# Altium PCB EPS.PcbDoc (part 7 of 11)
Units mm, origin at the board's own origin, x right, y up, seen from the top; angles counter-clockwise.
Board outline 90.25 x 93.64 mm, 8 copper layers (Top Layer, PGND, Power, Control Signals 1, Control Signals 2, Signal 1, Signal 2, Bottom Layer), stack 1.637 mm thick; 941 components, 557 nets, 2694 pads, 869 vias.
Unrouted connection lines stored in the file: 2.
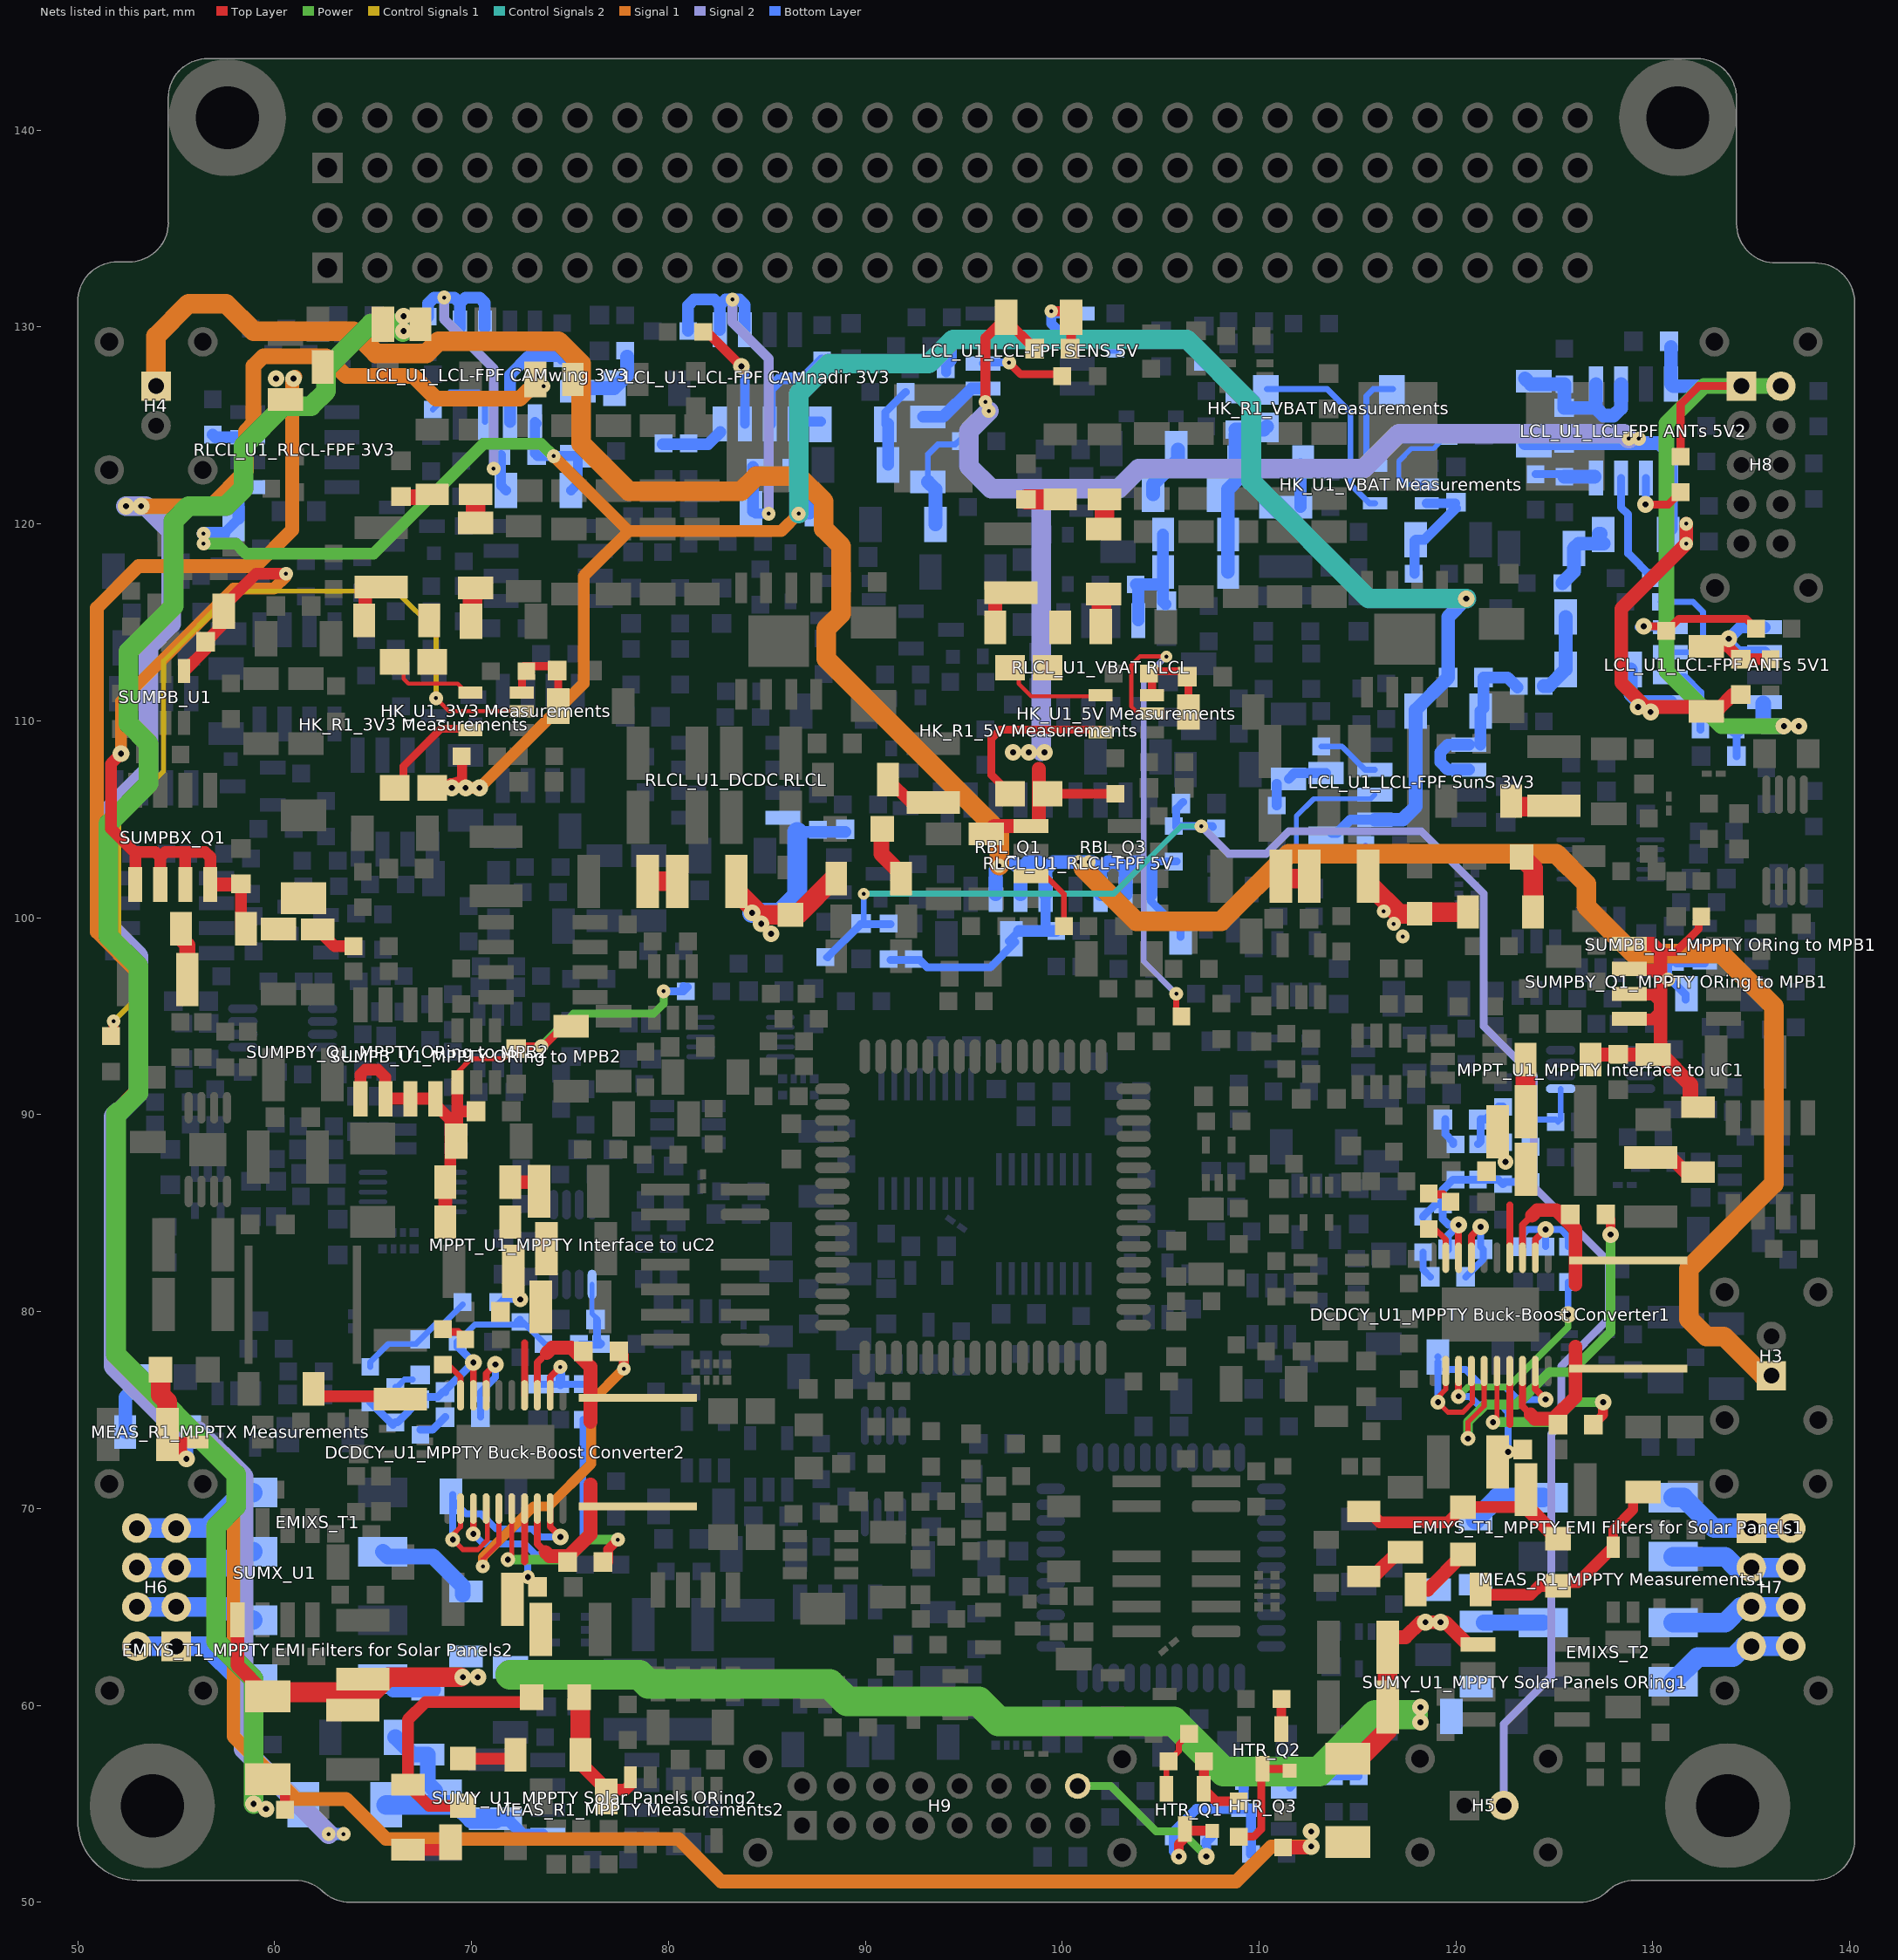
[diagram p13: the nets of this part, all layers, seen from the top]

## Via types
v1: diameter 0.7, hole 0.2, Top Layer to Bottom Layer, 431 vias
v2: diameter 0.85, hole 0.3, Top Layer to Bottom Layer, 345 vias
v3: diameter 0.6, hole 0.2, Top Layer to Bottom Layer, 62 vias
v4: diameter 0.8, hole 0.3, Top Layer to Bottom Layer, 19 vias
v5: diameter 0.75, hole 0.3, Top Layer to Bottom Layer, 7 vias
v6: diameter 1, hole 0.4, Top Layer to Bottom Layer, 2 vias
v7: diameter 0.7, hole 0.3, Top Layer to Bottom Layer, 2 vias
v8: diameter 1, hole 0.3, Top Layer to Bottom Layer, 1 vias

## Nets (pads, with @x,y where several pads share a name; then routed paths per layer and width w, separated by ;. In a path a pad name is that pad's centre, name@x,y a point inside that pad or via, vN(x,y) a via of type N, cw(c..) or ccw(c..) an arc to the next point about the centre after c; other vN are vias at no path point) (continued)
"NetDCDCY_C1_MPPTY Buck-Boost Converter1_1": "DCDCY_C1_MPPTY Buck-Boost Converter1.1" "DCDCY_L1_MPPTY Buck-Boost Converter1.2" "DCDCY_U1_MPPTY Buck-Boost Converter1.18" | length 7.7
  Top Layer w0.35: 123.38,76.981 123.38,75.183 123.787,74.776
  Top Layer w0.7: 123.787,74.776 124.003,74.56 124.968,74.56 126.073,75.665 126.073,78.205
"NetDCDCY_C1_MPPTY Buck-Boost Converter1_2": "DCDCY_C1_MPPTY Buck-Boost Converter1.2" "DCDCY_U1_MPPTY Buck-Boost Converter1.16" | length 10
  Top Layer w0.254: v5(121.882,74.384) 122.08,74.582 122.08,76.981
  Top Layer w0.5: 126.973,74.257 127.47,74.754 v2(127.47,75.4)
  Power w0.5: v5(121.882,74.384) 124.919,74.384 125.935,75.4 v2(127.47,75.4)
"NetDCDCY_C1_MPPTY Buck-Boost Converter2_1": "DCDCY_C1_MPPTY Buck-Boost Converter2.1" "DCDCY_L1_MPPTY Buck-Boost Converter2.2" "DCDCY_U1_MPPTY Buck-Boost Converter2.18" | length 7.7
  Top Layer w0.35: 73.342,69.996 73.342,68.198 73.749,67.791
  Top Layer w0.7: 73.749,67.791 73.965,67.575 74.93,67.575 76.035,68.68 76.035,71.22
"NetDCDCY_C1_MPPTY Buck-Boost Converter2_2": "DCDCY_C1_MPPTY Buck-Boost Converter2.2" "DCDCY_U1_MPPTY Buck-Boost Converter2.16" | length 10
  Top Layer w0.254: v5(71.844,67.399) 72.042,67.597 72.042,69.996
  Top Layer w0.5: 76.935,67.272 76.935,67.918 v1(77.432,68.415)
  Power w0.5: v5(71.844,67.399) 74.881,67.399 75.897,68.415 v1(77.432,68.415)
"NetDCDCY_C2_MPPTY Buck-Boost Converter1_1": "DCDCY_C2_MPPTY Buck-Boost Converter1.1" "DCDCY_L1_MPPTY Buck-Boost Converter1.1" "DCDCY_U1_MPPTY Buck-Boost Converter1.3" | length 7.9
  Top Layer w0.35: 123.38,82.731 123.38,84.402 123.85,84.872
  Top Layer w0.7: 123.85,84.872 124.13,85.152 125.095,85.152 126.073,84.174 126.073,81.38
"NetDCDCY_C2_MPPTY Buck-Boost Converter1_2": "DCDCY_C2_MPPTY Buck-Boost Converter1.2" "DCDCY_U1_MPPTY Buck-Boost Converter1.15" | length 19.9
  Top Layer w0.254: v5(120.612,73.55) 120.612,74.384 121.43,75.202 121.43,76.981
  Top Layer w0.3: 121.43,76.981 121.461,76.95
  Top Layer w0.5: 127.608,84.925 127.851,84.682 v2(127.851,83.909)
  Power w0.5: v5(120.612,73.55) 120.612,74.395 121.49,75.273 123.077,75.273 124.728,76.924 125.819,76.924 127.851,78.956 v2(127.851,83.909)
"NetDCDCY_C2_MPPTY Buck-Boost Converter2_1": "DCDCY_C2_MPPTY Buck-Boost Converter2.1" "DCDCY_L1_MPPTY Buck-Boost Converter2.1" "DCDCY_U1_MPPTY Buck-Boost Converter2.3" | length 7.9
  Top Layer w0.35: 73.342,75.746 73.342,77.417 73.812,77.887
  Top Layer w0.7: 73.812,77.887 74.092,78.167 75.057,78.167 76.035,77.189 76.035,74.395
"NetDCDCY_C2_MPPTY Buck-Boost Converter2_2": "DCDCY_C2_MPPTY Buck-Boost Converter2.2" "DCDCY_U1_MPPTY Buck-Boost Converter2.15" | length 17.7
  Top Layer w0.254: v1(70.574,67.056) 70.574,67.399 71.392,68.217 71.392,69.996
  Top Layer w0.3: 71.392,69.996 71.423,69.965
  Top Layer w0.5: 77.57,77.94 77.735,77.775 v1(77.735,77.089)
  Signal 1 w0.5: v1(70.574,67.056) 70.574,67.526 73.152,70.104 73.914,70.104 76.073,72.263 76.073,75.427 v1(77.735,77.089)
"NetDCDCY_C3_MPPTY Buck-Boost Converter1_2": "DCDCY_C3_MPPTY Buck-Boost Converter1.2" "DCDCY_C5_MPPTY Buck-Boost Converter1.1" "DCDCY_C6_MPPTY Buck-Boost Converter1.1" "DCDCY_R2_MPPTY Buck-Boost Converter1.1" "DCDCY_U1_MPPTY Buck-Boost Converter1.13" "DCDCY_U1_MPPTY Buck-Boost Converter1.17" "EMIYI_L1_MPPTY Input EMI Filter1.1" "EMIYI_L2_MPPTY Input EMI Filter1.1" "EMIYI_R2_MPPTY Input EMI Filter1.2" | length 29.9
  Top Layer w0.35: v5(120.13,75.691) 120.13,76.981 ; 122.73,74.268 122.73,76.981
  Top Layer w0.6: 115.57,69.85 116.117,69.303 119.595,69.303 120.358,70.066 123.557,70.066
  Top Layer w0.8: 123.557,70.955 123.557,70.099 125.184,68.472
  Power w0.35: v5(120.13,75.691) 120.601,76.162 122.644,76.162 125.692,79.21 v2(125.692,79.845)
  Bottom Layer w0.35: v5(120.13,75.691) 120.702,75.691 121.12,75.273 122.263,75.273 122.644,74.892 v7(122.644,72.871) ; v2(125.692,79.845) 125.692,81.496
"NetDCDCY_C3_MPPTY Buck-Boost Converter2_2": "DCDCY_C3_MPPTY Buck-Boost Converter2.2" "DCDCY_C5_MPPTY Buck-Boost Converter2.1" "DCDCY_C6_MPPTY Buck-Boost Converter2.1" "DCDCY_R2_MPPTY Buck-Boost Converter2.1" "DCDCY_U1_MPPTY Buck-Boost Converter2.13" "DCDCY_U1_MPPTY Buck-Boost Converter2.17" "EMIYI_L1_MPPTY Input EMI Filter2.1" "EMIYI_L2_MPPTY Input EMI Filter2.1" "EMIYI_R2_MPPTY Input EMI Filter2.2" | length 30.8
  Top Layer w0.35: v5(70.092,68.706) 70.092,69.996 ; 72.692,67.283 72.692,69.996
  Top Layer w0.6: 69.558,54.896 67.836,54.896 66.764,55.968 66.764,59.271 67.653,60.16 73.057,60.16
  Bottom Layer w0.35: v5(70.092,68.706) 70.599,68.199 72.706,68.199 73.252,67.653 ; v7(72.86,66.51) 72.86,67.261 73.252,67.653 ; 75.654,74.511 75.654,68.542 74.765,67.653 73.252,67.653
"NetDCDCY_C4_MPPTY Buck-Boost Converter1_2": "DCDCY_C4_MPPTY Buck-Boost Converter1.2" "DCDCY_C7_MPPTY Buck-Boost Converter1.1" "DCDCY_C8_MPPTY Buck-Boost Converter1.1" "DCDCY_C9_MPPTY Buck-Boost Converter1.1" "DCDCY_R1_MPPTY Buck-Boost Converter1.1" "DCDCY_U1_MPPTY Buck-Boost Converter1.4" "EMIYO_FB1_MPPTY Output EMI Filter1.2" | length 6.4
  Top Layer w0.35: 122.73,82.731 122.73,85.403
  Top Layer w1: 123.534,92.799 123.534,90.166 123.557,90.143
  Bottom Layer w0.35: 122.39,88.608 122.517,88.481 v4(122.517,87.603)
"NetDCDCY_C4_MPPTY Buck-Boost Converter2_2": "DCDCY_C4_MPPTY Buck-Boost Converter2.2" "DCDCY_C7_MPPTY Buck-Boost Converter2.1" "DCDCY_C8_MPPTY Buck-Boost Converter2.1" "DCDCY_C9_MPPTY Buck-Boost Converter2.1" "DCDCY_R1_MPPTY Buck-Boost Converter2.1" "DCDCY_U1_MPPTY Buck-Boost Converter2.4" "EMIYO_FB1_MPPTY Output EMI Filter2.2" | length 3.9
  Top Layer w0.35: 72.692,75.746 72.692,78.418
  Bottom Layer w0.35: 71.347,80.353 71.612,80.618 v4(72.479,80.618)
"NetDCDCY_C10_MPPTY Buck-Boost Converter1_1": "DCDCY_C10_MPPTY Buck-Boost Converter1.1" "DCDCY_C12_MPPTY Buck-Boost Converter1.1" "DCDCY_U1_MPPTY Buck-Boost Converter1.7" | length 4.7
  Top Layer w0.35: 120.78,82.731 120.78,83.834 v2(121.247,84.301)
  Bottom Layer w0.35: 120.496,81.761 121.385,82.65 121.385,83.158 121.247,83.296 v2(121.247,84.301)
"NetDCDCY_C10_MPPTY Buck-Boost Converter1_2": "DCDCY_C10_MPPTY Buck-Boost Converter1.2" "DCDCY_R4_MPPTY Buck-Boost Converter1.1" | length 1.4
  Bottom Layer w0.35: 118.326,83.02 118.326,82.131 118.696,81.761
"NetDCDCY_C10_MPPTY Buck-Boost Converter2_1": "DCDCY_C10_MPPTY Buck-Boost Converter2.1" "DCDCY_C12_MPPTY Buck-Boost Converter2.1" "DCDCY_U1_MPPTY Buck-Boost Converter2.7" | length 4.8
  Top Layer w0.35: 70.742,75.746 70.742,76.849 v2(71.209,77.316)
  Bottom Layer w0.35: 70.458,74.638 70.458,75.908 71.209,76.659 v2(71.209,77.316)
"NetDCDCY_C10_MPPTY Buck-Boost Converter2_2": "DCDCY_C10_MPPTY Buck-Boost Converter2.2" "DCDCY_R4_MPPTY Buck-Boost Converter2.1" | length 1.5
  Bottom Layer w0.4: 67.399,73.992 68.012,73.992 68.658,74.638
"NetDCDCY_C11_MPPTY Buck-Boost Converter1_1": "DCDCY_C11_MPPTY Buck-Boost Converter1.1" "DCDCY_R1_MPPTY Buck-Boost Converter1.2" "DCDCY_R3_MPPTY Buck-Boost Converter1.1" | length 2.7
  Bottom Layer w0.4: 121.12,88.503 121.258,88.641 121.258,89.762 121.512,89.762 122.158,90.408 122.39,90.408
"NetDCDCY_C11_MPPTY Buck-Boost Converter1_2": "DCDCY_C11_MPPTY Buck-Boost Converter1.2" "DCDCY_R5_MPPTY Buck-Boost Converter1.1" | length 1.4
  Bottom Layer w0.4: 119.458,89.762 119.458,89.011 119.85,88.619 119.85,88.503
"NetDCDCY_C11_MPPTY Buck-Boost Converter2_1": "DCDCY_C11_MPPTY Buck-Boost Converter2.1" "DCDCY_R1_MPPTY Buck-Boost Converter2.2" "DCDCY_R3_MPPTY Buck-Boost Converter2.1" | length 6.1
  Bottom Layer w0.3: 64.859,77.189 64.859,77.432 65.786,78.359 67.183,78.359 68.199,79.375 68.569,79.375 69.547,80.353
"NetDCDCY_C11_MPPTY Buck-Boost Converter2_2": "DCDCY_C11_MPPTY Buck-Boost Converter2.2" "DCDCY_R5_MPPTY Buck-Boost Converter2.1" | length 1
  Bottom Layer w0.3: 66.129,76.173 66.225,76.173 66.595,76.543 67.018,76.543
"NetDCDCY_C12_MPPTY Buck-Boost Converter1_2": "DCDCY_C12_MPPTY Buck-Boost Converter1.2" "DCDCY_R3_MPPTY Buck-Boost Converter1.2" "DCDCY_R4_MPPTY Buck-Boost Converter1.2" "DCDCY_R5_MPPTY Buck-Boost Converter1.2" "DCDCY_R7_MPPTY Buck-Boost Converter1.2" "DCDCY_R8_MPPTY Buck-Boost Converter1.1" "DCDCY_R9_MPPTY Buck-Boost Converter1.1" "DCDCY_U1_MPPTY Buck-Boost Converter1.8" | length 11.8
  Top Layer w0.35: 120.13,82.731 v2(120.13,84.402)
  Bottom Layer w0.4: 118.326,84.82 118.95,85.444 119.331,85.444 ; 119.585,83.158 119.585,83.857 v2(120.13,84.402) 119.622,84.402 119.331,84.693 119.331,85.444 ; 123.914,86.576 122.495,86.576 122.39,86.471 122.158,86.703 121.12,86.703 119.85,86.703 119.331,86.184 119.331,85.444
"NetDCDCY_C12_MPPTY Buck-Boost Converter2_2": "DCDCY_C12_MPPTY Buck-Boost Converter2.2" "DCDCY_R3_MPPTY Buck-Boost Converter2.2" "DCDCY_R4_MPPTY Buck-Boost Converter2.2" "DCDCY_R5_MPPTY Buck-Boost Converter2.2" "DCDCY_R7_MPPTY Buck-Boost Converter2.2" "DCDCY_R8_MPPTY Buck-Boost Converter2.1" "DCDCY_R9_MPPTY Buck-Boost Converter2.1" "DCDCY_U1_MPPTY Buck-Boost Converter2.8" | length 16
  Top Layer w0.35: 70.092,75.746 v2(70.092,77.417)
  Bottom Layer w0.3: 69.293,78.459 70.171,79.337 72.711,79.337 72.457,79.591 ; 72.606,79.475 73.76,78.321 73.865,78.321
  Bottom Layer w0.4: 64.859,75.389 66.002,74.246 ; 66.129,74.373 66.234,74.373 67.399,75.538 67.515,75.654 68.288,75.654 68.542,75.908 68.658,75.908 68.658,75.983 v2(70.092,77.417) 69.293,78.216 69.293,78.459 ; 72.352,79.486 72.457,79.591
"NetDCDCY_C13_MPPTY Buck-Boost Converter1_1": "DCDCY_C13_MPPTY Buck-Boost Converter1.1" "DCDCY_R2_MPPTY Buck-Boost Converter1.2" "DCDCY_R6_MPPTY Buck-Boost Converter1.1" "DCDCY_U1_MPPTY Buck-Boost Converter1.2" | length 6.2
  Top Layer w0.35: 124.03,82.731 124.03,83.655 v2(124.549,84.174)
  Bottom Layer w0.35: 123.406,83.296 123.406,83.92 123.66,84.174 v2(124.549,84.174) ; 124.549,83.296 v2(124.549,84.174) ; 125.692,83.296 125.692,83.793 125.311,84.174 v2(124.549,84.174)
"NetDCDCY_C13_MPPTY Buck-Boost Converter2_1": "DCDCY_C13_MPPTY Buck-Boost Converter2.1" "DCDCY_R2_MPPTY Buck-Boost Converter2.2" "DCDCY_R6_MPPTY Buck-Boost Converter2.1" "DCDCY_U1_MPPTY Buck-Boost Converter2.2" | length 4.8
  Top Layer w0.35: 73.992,75.746 73.992,76.67 v1(74.511,77.189)
  Bottom Layer w0.35: 73.368,76.311 74.511,76.311 75.654,76.311
  Bottom Layer w0.5: 74.511,76.311 v1(74.511,77.189)
"NetDCDCY_C14_MPPTY Buck-Boost Converter1_1": "DCDCY_C14_MPPTY Buck-Boost Converter1.1" "DCDCY_U1_MPPTY Buck-Boost Converter1.12" "DCDCY_U1_MPPTY Buck-Boost Converter1.14" "DCDCY_U1_MPPTY Buck-Boost Converter1.19" | length 14.9
  Top Layer w0.254: 119.48,76.981 119.48,76.046 119.088,75.654 v5(119.088,75.4) 119.596,74.892 120.358,74.892 120.835,75.369 120.835,76.926 120.78,76.981
  Top Layer w0.35: 124.03,76.981 124.03,76.057 v4(124.549,75.538)
  Bottom Layer w0.35: v5(119.088,75.4) 119.088,77.443 ; 119.088,77.696 119.089,77.697 ; 119.469,77.051 120.485,77.051 121.374,76.162 122.517,76.162 123.141,75.538 v4(124.549,75.538)
"NetDCDCY_C14_MPPTY Buck-Boost Converter2_1": "DCDCY_C14_MPPTY Buck-Boost Converter2.1" "DCDCY_U1_MPPTY Buck-Boost Converter2.12" "DCDCY_U1_MPPTY Buck-Boost Converter2.14" "DCDCY_U1_MPPTY Buck-Boost Converter2.19" | length 15.7
  Top Layer w0.254: 69.442,69.996 69.442,69.061 69.05,68.669 v5(69.05,68.415) 69.558,67.907 70.32,67.907 70.797,68.384 70.797,69.941 70.742,69.996
  Top Layer w0.35: 73.992,69.996 73.992,69.072 v2(74.511,68.553)
  Bottom Layer w0.35: v5(69.05,68.415) 69.05,70.396 ; 69.051,70.712 69.05,70.711 69.05,70.396 ; v2(74.511,68.553) 73.484,68.553 73.076,68.961 71.247,68.961 70.485,69.723 69.723,69.723 69.05,70.396
"NetDCDCY_R7_MPPTY Buck-Boost Converter1_1": "DCDCY_R7_MPPTY Buck-Boost Converter1.1" "MPPT_C4_MPPTY Interface to uC1.2" "MPPT_R4_MPPTY Interface to uC1.1" "MPPT_U1_MPPTY Interface to uC1.1" | length 4.5
  Bottom Layer w0.3: 123.914,88.365 123.914,89.74 123.903,89.751 125.068,89.751 125.184,89.635 125.318,89.769 125.318,91.316
"NetDCDCY_R7_MPPTY Buck-Boost Converter2_1": "DCDCY_R7_MPPTY Buck-Boost Converter2.1" "MPPT_C4_MPPTY Interface to uC2.2" "MPPT_R4_MPPTY Interface to uC2.1" "MPPT_U1_MPPTY Interface to uC2.1" | length 4.5
  Bottom Layer w0.254: 75.538,78.321 75.549,78.332 75.676,78.332 ; 76.121,81.376 76.121,79.897 76.427,79.591 76.363,79.527 76.3,79.591 ; 76.532,78.321 76.57,78.359
  Bottom Layer w0.4: 75.538,78.321 76.532,78.321 ; 76.363,79.527 76.363,78.565 76.57,78.359
"NetDCDCY_R10_MPPTY Buck-Boost Converter1_1": "DCDCY_R10_MPPTY Buck-Boost Converter1.1" "DCDCY_U1_MPPTY Buck-Boost Converter1.9" | length 2.1
  Top Layer w0.3: 118.58,84.29 118.845,84.29 119.48,83.655 119.48,82.731
"NetDCDCY_R10_MPPTY Buck-Boost Converter1_2": "DCDCY_R10_MPPTY Buck-Boost Converter1.2" "DCDCY_R11_MPPTY Buck-Boost Converter1.1" | length 1.4
  Top Layer w0.4: 118.58,86.09 118.718,85.952 119.342,85.952 119.723,85.571
"NetDCDCY_R10_MPPTY Buck-Boost Converter2_1": "DCDCY_R10_MPPTY Buck-Boost Converter2.1" "DCDCY_U1_MPPTY Buck-Boost Converter2.9" | length 2.1
  Top Layer w0.3: 68.542,77.305 68.807,77.305 69.442,76.67 69.442,75.746
"NetDCDCY_R10_MPPTY Buck-Boost Converter2_2": "DCDCY_R10_MPPTY Buck-Boost Converter2.2" "DCDCY_R11_MPPTY Buck-Boost Converter2.1" | length 1.4
  Top Layer w0.4: 68.542,79.105 68.68,78.967 69.304,78.967 69.685,78.586
NetDISTR_R1_2: "LCL_U1_LCL-FPF SunS 3V3.3" DISTR_R1.2 | length 3.2
  Bottom Layer w0.3: DISTR_R1.2@113.157,108.701 114.199,108.701 115.38,107.52 115.88,107.52
NetDISTR_R2_2: "LCL_U1_LCL-FPF CAMnadir 3V3.3" DISTR_R2.2 | length 5.5
  Top Layer w0.5: DISTR_R2.2@81.95,129.75 v2(83.7,128)
  Bottom Layer w0.5: v2(83.7,128) 83.88,127.82 83.88,125.08
NetDISTR_R3_2: "LCL_U1_LCL-FPF CAMwing 3V3.3" DISTR_R3.2 | length 4.3
  Bottom Layer w0.3: DISTR_R3.2@68.034,125.808 68.913,126.687 70.341,126.687 70.68,126.348 70.68,125.18
NetDISTR_R4_2: "LCL_U1_LCL-FPF SENS 5V.3" DISTR_R4.2 | length 3.2
  Bottom Layer w0.5: DISTR_R4.2@94.1,127.7 94.1,128 94.4,128.3 94.4,129 94.82,129.42 95.98,129.42
NetDISTR_R5_2: "LCL_U1_LCL-FPF ANTs 5V2.3" DISTR_R5.2 | length 5.7
  Bottom Layer w0.4: 128.38,122.33 128.38,120.845 128.74,120.485 128.74,118.51 DISTR_R5.2@129.95,117.3
NetDISTR_R6_2: "LCL_U1_LCL-FPF ANTs 5V1.3" DISTR_R6.2 | length 5.8
  Bottom Layer w0.3: DISTR_R6.2@130.402,116.04 132.042,116.04 132.55,115.532 132.55,113.881 132.154,113.485 130.892,113.485
NetDISTR_R7_2: "RLCL_U1_RLCL-FPF 3V3.3" DISTR_R7.2 | length 1.8
  Bottom Layer w0.6: DISTR_R7.2@56.858,124.538 56.989,124.407 58.629,124.407
NetDISTR_R8_2: "RLCL_U1_RLCL-FPF 5V.3" DISTR_R8.2 | length 3.7
  Top Layer w0.3: 98.418,102.123 99.172,102.123 100.087,101.208 DISTR_R8.2@100.087,99.568
NetEMIAA_C1_1: "RLCL_C4_DCDC RLCL.1" "RLCL_R6_DCDC RLCL.2" "RLCL_U1_DCDC RLCL.8" EMIAA_C1.1 EMIAA_L2.2 EMIAA_R1.1 EMIBA_C1.1 EMIBA_L2.2 EMIBA_R1.1 | length 20.8
  Top Layer w1: EMIAA_C1.1@83.45,101.85 83.45,101.35 84.65,100.15 EMIAA_L2.2@86.2,100.15 ; EMIAA_L2.2@86.215,100.165 EMIAA_L2.2@86.2,100.15 ; EMIAA_R1.1@88.52,102.109 86.561,100.15 EMIAA_L2.2@86.2,100.15 ; EMIBA_C1.1@115.65,101.65 117.1,100.2 EMIBA_L2.2@118.15,100.2 118.242,100.292 EMIBA_R1.1@120.613,100.292
  Bottom Layer w0.6: 86.54,104.35 88.978,104.35
  Bottom Layer w1: v2(84.25,100.25) 85.65,100.25 86.54,101.14 86.54,104.35
  other v1: 117.3,99.05 116.84,99.695 116.332,100.33
  other v2: 85.217,99.187 84.709,99.695
NetEMIAA_C1_2: EMIAA_C1.2 EMIAA_C2.1 | length 1.5
  Top Layer w1: EMIAA_C2.1@78.95,101.85 EMIAA_C1.2@80.45,101.85
NetEMIAA_C3_1: EMIAA_C3.1 EMIAA_R2.1 | length 2.8
  Top Layer w0.6: EMIAA_R2.1@91.147,107.023 92.32,105.85 EMIAA_C3.1@93.45,105.85
NetEMIAA_L1_2: EMIAA_L1.2 EMIAA_R1.2 | length 2.4
  Top Layer w0.8: EMIAA_L1.2@90.824,104.356 90.824,103.232 EMIAA_R1.2@91.694,102.362
NetEMIAB_C1_1: "HK_R1_3V3 Measurements.1" EMIAB_C1.1 EMIAB_C2.1 EMIAB_FB1.1 EMIAB_FB2.1 EMIAB_R1.1 | length 3.1
  Top Layer w0.8: EMIAB_C2.1@66.35,121.35 EMIAB_FB2.1@68,121.35
  Top Layer w1: EMIAB_C1.1@70.2,120.05 EMIAB_FB1.1@70.2,121.5
NetEMIAB_C1_2: EMIAB_C1.2 EMIAB_C3.1 | length 1.6
  Top Layer w1: EMIAB_C3.1@70.05,115 70.05,116.35 EMIAB_C1.2@70.2,116.5
NetEMIAB_C4_1: EMIAB_C4.1 EMIAB_R1.2 | length 1.6
  Top Layer w0.7: EMIAB_R1.2@64.6,115.1 EMIAB_C4.1@64.6,116.7
NetEMIBA_C1_2: EMIBA_C1.2 EMIBA_C2.1 | length 1.4
  Top Layer w1: EMIBA_C2.1@111.125,101.981 EMIBA_C1.2@112.522,101.981
NetEMIBA_C3_1: EMIBA_C3.1 EMIBA_R2.1 | length 2.1
  Top Layer w1: EMIBA_R2.1@123.05,105.65 EMIBA_C3.1@125.15,105.65
NetEMIBA_L1_2: EMIBA_L1.2 EMIBA_R1.2 | length 3
  Top Layer w1: EMIBA_L1.2@123.336,103.086 123.913,102.509 EMIBA_R1.2@123.913,100.292
NetEMIBB_C1_1: "HK_R1_5V Measurements.1" EMIBB_C1.1 EMIBB_C2.1 EMIBB_FB1.1 EMIBB_FB2.1 EMIBB_R1.1 | length 3.1
  Top Layer w1: EMIBB_C2.1@98.15,121.25 EMIBB_FB2.1@99.9,121.25 ; EMIBB_C1.1@102.15,119.9 EMIBB_FB1.1@102.15,121.25
NetEMIBB_C1_2: EMIBB_C1.2 EMIBB_C3.1 | length 1.4
  Top Layer w1: EMIBB_C3.1@102,114.9 102,116.1 EMIBB_C1.2@102.15,116.25
NetEMIBB_C4_1: EMIBB_C4.1 EMIBB_R1.2 | length 1.5
  Top Layer w0.7: EMIBB_R1.2@96.6,114.75 EMIBB_C4.1@96.6,116.25
NetEMIVBAT_C1_1: "HK_R1_VBAT Measurements.1" EMIVBAT_C1.1 EMIVBAT_C2.1 EMIVBAT_FB1.1 EMIVBAT_FB2.1 EMIVBAT_R1.1 | length 8.8
  Bottom Layer w0.7: EMIVBAT_FB2.1@108.419,117.564 EMIVBAT_FB1.1@108.419,119.469 108.419,121.754 108.929,122.264 EMIVBAT_R1.1@108.929,123.152 ; EMIVBAT_C1.1@108.801,124.792 110.242,124.792 110.4,124.95 ; EMIVBAT_R1.1@108.802,123.152 EMIVBAT_C1.1@108.802,124.537
NetEMIVBAT_C1_2: EMIVBAT_C1.2 EMIVBAT_C3.1 | length 2.7
  Bottom Layer w0.4: EMIVBAT_C3.1@107.188,128.259 107.431,128.016 108.077,128.016 108.585,127.508 108.585,126.808 EMIVBAT_C1.2@108.801,126.592
NetEMIVBAT_C2_2: EMIVBAT_C2.2 EMIVBAT_C4.1 | length 2.8
  Bottom Layer w0.7: EMIVBAT_C2.2@104.61,121.501 104.61,122.009 105.879,123.278 EMIVBAT_C4.1@105.879,123.787
NetEMIVBAT_C5_1: EMIVBAT_C5.1 EMIVBAT_R1.2 | length 2.2
  Bottom Layer w0.6: EMIVBAT_C5.1@112.102,120.866 EMIVBAT_R1.2@112.102,123.025
NetEMIVBAT_FB1_2: "RLCL_C4_VBAT RLCL.1" "RLCL_R6_VBAT RLCL.2" "RLCL_U1_VBAT RLCL.8" EMIVBAT_FB1.2 EMIVBAT_FB2.2 | length 6.9
  Bottom Layer w0.6: 103.863,115.098 103.863,116.798 103.732,116.929 EMIVBAT_FB2.2@105.119,116.929 ; EMIVBAT_FB1.2@105.119,119.469 EMIVBAT_FB2.2@105.119,117.564 EMIVBAT_FB2.2@105.119,116.929 ; 105.245,115.924 105.119,116.05 EMIVBAT_FB2.2@105.119,116.929
NetEMIXI_C1_1: "MEAS_R1_MPPTX Measurements.4" EMIXI_C1.1 EMIXI_L2.2 EMIXI_R1.1 | length 7.7
  Top Layer w0.5: EMIXI_C1.1@54.737,73.56 54.921,73.376 56.097,73.376
  Top Layer w0.7: EMIXI_C1.1@54.548,73.749 EMIXI_C1.1@54.737,73.56 ; EMIXI_C1.1@54.921,73.376 55.193,73.103 55.193,72.846 v2(55.523,72.517)
  Top Layer w1: EMIXI_L2.2@54.204,77.051 54.204,75.768 54.548,75.424 EMIXI_C1.1@54.548,73.749
  Bottom Layer w0.7: v2(55.523,72.517) 55.523,73.43 55.714,73.621 EMIXI_R1.1@55.714,73.876
NetEMIXI_C2_1: EMIXI_C2.1 EMIXI_R2.1 | length 3.6
  Top Layer w0.6: EMIXI_R2.1@61.976,75.692 EMIXI_C2.1@65.329,75.692
  Top Layer w0.7: EMIXI_C2.1@65.329,75.692 EMIXI_C2.1@65.494,75.527
NetEMIXI_L1_2: EMIXI_L1.2 EMIXI_R1.2 | length 3.1
  Bottom Layer w0.7: EMIXI_R1.2@52.414,73.876 52.414,75.655 53.061,76.302 EMIXI_L1.2@53.061,76.67
NetEMIXO_C1_1: "MPPT_R13_MPPTX Interface to uC.2" EMIXO_C1.1 EMIXO_C2.1 EMIXO_FB1.1 EMIXO_R1.2 SUMPB_U1.1 SUMPBX_C1.1 SUMPBX_C2.1 SUMPBX_D1.A SUMPBX_Q1.D | length 43.1
  Top Layer w0.6: v2(52.197,108.331) 51.689,107.823 51.689,104.521 52.87,103.34 53.023,103.34 ; SUMPBX_Q1.D@52.921,101.689 52.921,103.238 53.023,103.34 ; SUMPBX_Q1.D@54.191,101.689 54.191,103.086 ; SUMPB_U1.1@55.395,112.524 56.488,113.617 SUMPBX_C2.1@56.488,114.008 57.403,114.923 SUMPBX_C1.1@57.403,115.57 ; SUMPBX_Q1.D@55.461,101.689 55.461,103.213 ; SUMPBX_Q1.D@56.731,101.689 56.731,103.086 56.477,103.34 54.445,103.34 54.191,103.086 ; SUMPBX_C1.1@57.746,116.166 59.055,117.475 v1(60.579,117.475) ; EMIXO_C1.1@58.166,101.716 EMIXO_C1.1@58.271,101.694 ; EMIXO_R1.2@58.293,99.442 EMIXO_C1.1@58.293,101.689 ; EMIXO_C1.1@58.293,101.716 EMIXO_C1.1@58.271,101.694 ; EMIXO_FB1.1@62.192,99.402 63.042,98.552 63.997,98.552 ; 53.023,103.34 53.937,103.34 54.191,103.086 ; EMIXO_C1.1@58.271,101.694 58.266,101.689 EMIXO_C1.1@58.293,101.689 ; EMIXO_C1.1@58.271,101.694 58.288,101.69 EMIXO_C1.1@58.293,101.689